# Altium PCB SPEC-A7.PcbDoc (part 10 of 10)
Units mil, origin at the board's own origin, x right, y up, seen from the top; angles counter-clockwise.
Board outline 6299.21 x 3937.01 mil, 6 copper layers (Top Layer, L2, L3, L4, L5, Bottom Layer), stack 61.319 mil thick; 731 components, 479 nets, 2733 pads, 1703 vias.
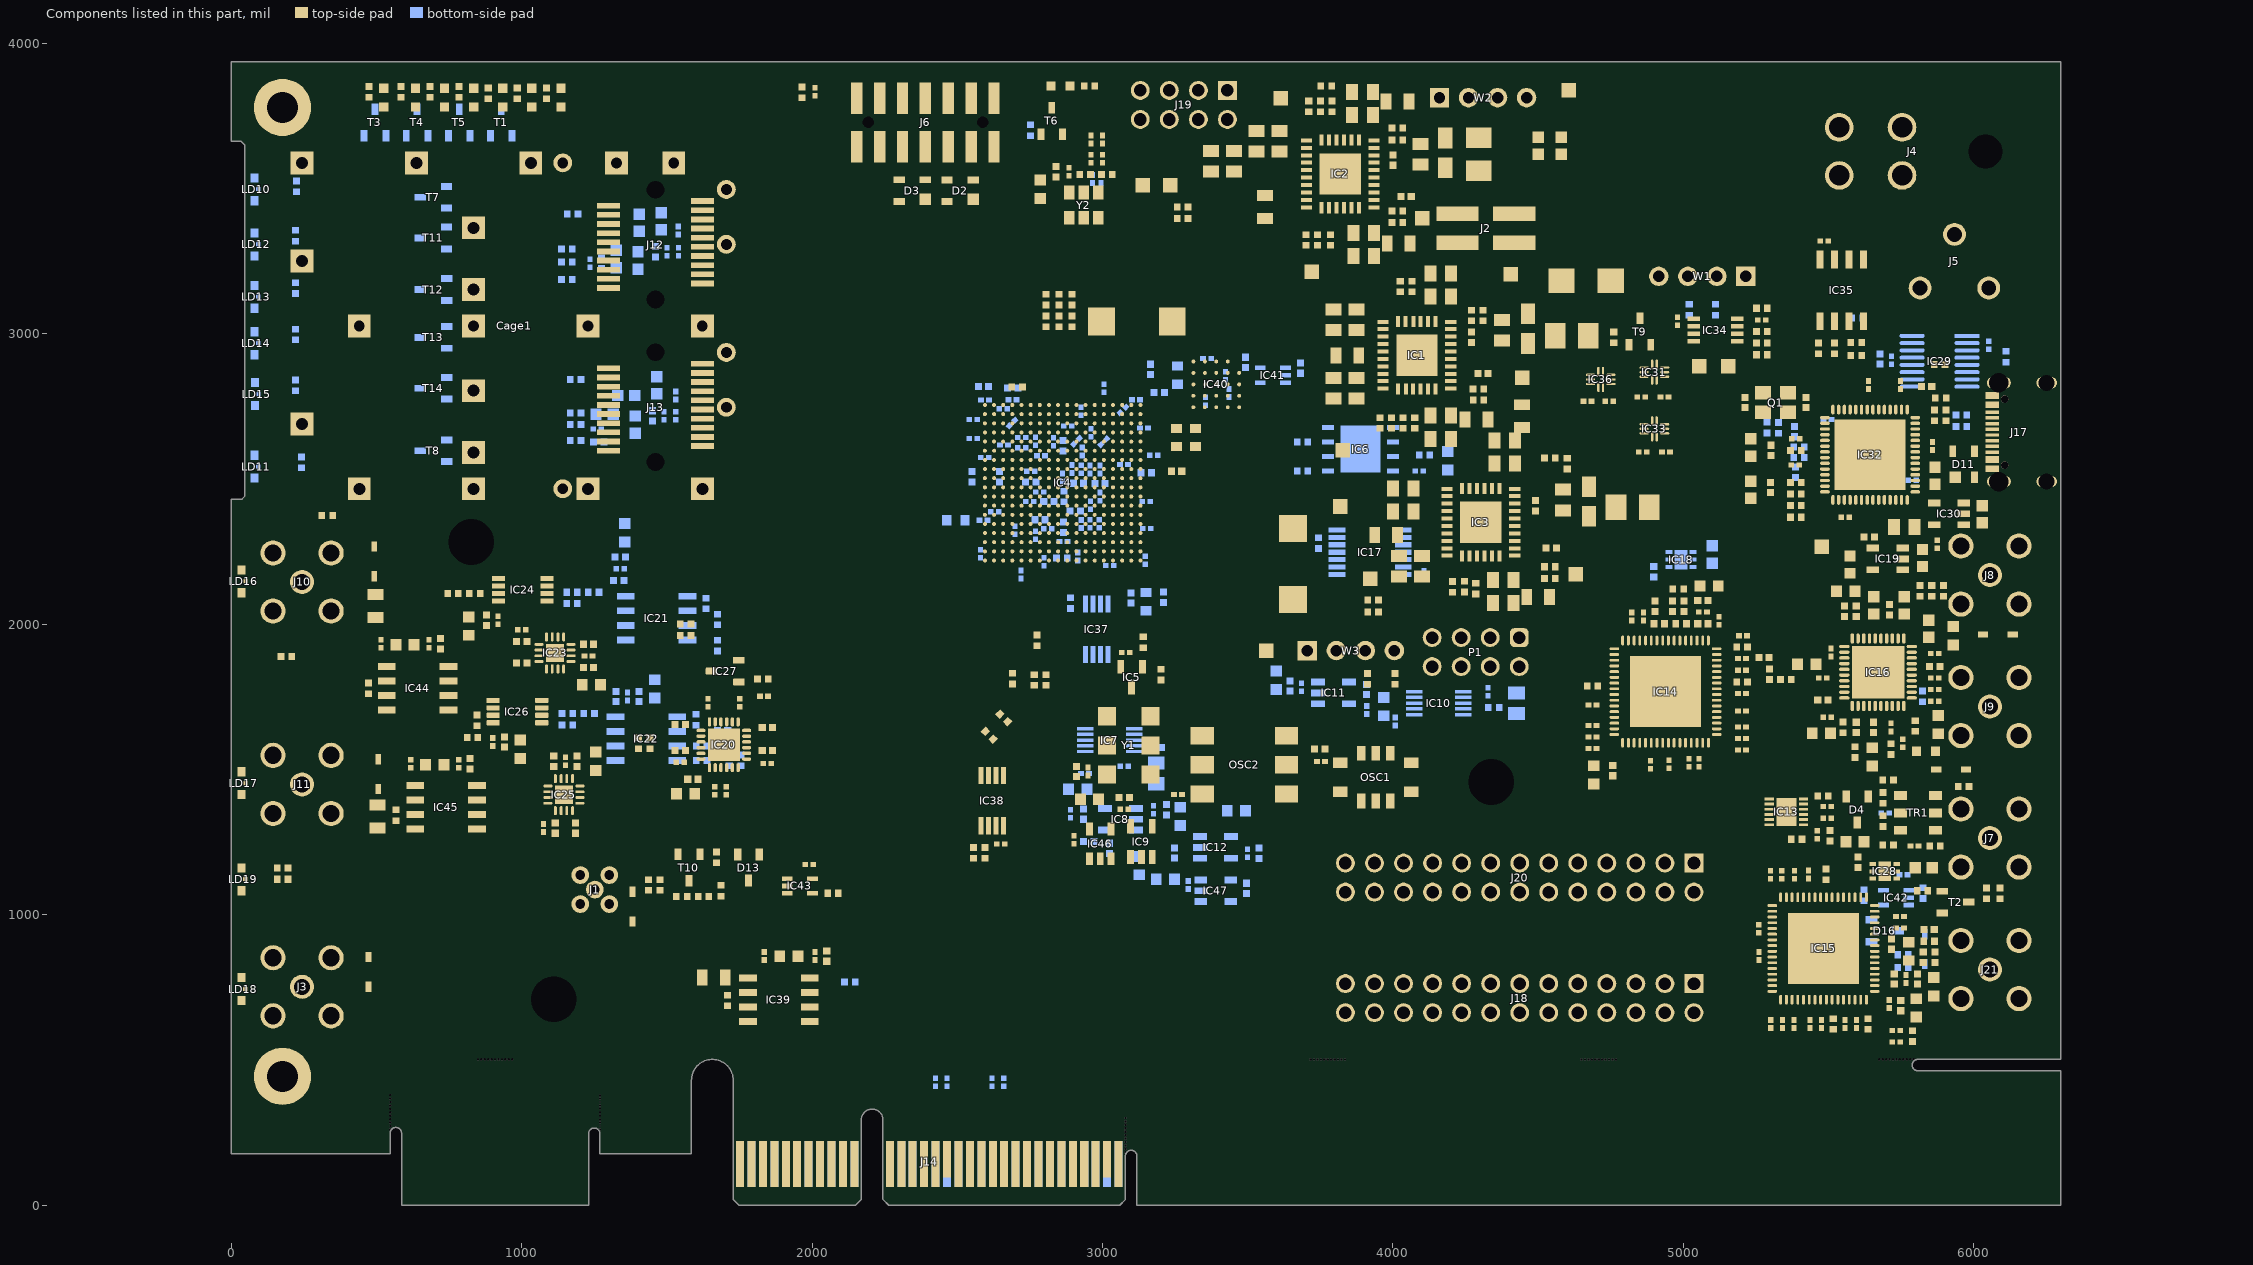
[diagram p14: the components of this part, seen from the top]

## Silkscreen, mask and mechanical layers (free items; w line width, h text height)
Top Overlay:
  lines w7.87: 1269.69,517.16 3078.74,517.16 ; 2523.7,223.16 2523.7,244.16 ; 2523.7,260.16 2523.7,299.16 ; 2523.7,315.16 2523.7,354.16 ; 2523.7,370.16 2523.7,409.16 ; 2523.7,424.16 2523.7,463.16
  text "3.3V" at 4125.98,3874.04 h39.37
  text "SDA" at 4224.41,3874.07 h39.37
  text "SCL" at 4330.71,3874.07 h39.37
  text "GND" at 4429.13,3874.07 h39.37
  text "1.2V" at 3562.87,3767.84 h35.43 r90
  text "SPEC A7 v1.0" at 4740.16,3767.72 h118.11
  text "12V" at 4567.06,3748.16 h35.43
  text "WUT ISE 2024" at 4740.16,3706.72 h60
  text "2.5V" at 720.35,3665.48 h35.43 r90
  text "12V" at 821.24,3665.47 h35.43 r90
  text "3.3V" at 915.73,3665.47 h35.43 r90
  text "1.0V" at 1018.09,3665.47 h35.43 r90
  text "5.0V" at 1108.64,3665.47 h35.43 r90
  text "1.2V" at 507.75,3661.54 h35.43 r90
  text "1.8V" at 617.98,3661.54 h35.43 r90
  text "TX" at 3110.36,3570.99 h35.43
  text "RX" at 3212.72,3570.99 h35.43
  text "GND" at 4874.02,3263.78 h39.37
  text "SCL" at 4984.25,3263.78 h39.37
  text "SDA" at 5078.74,3263.78 h39.37
  text "3.3V" at 5185.04,3263.78 h39.37
  text "1.0V" at 3665.23,3165.48 h35.43 r90
  text "5.0V" at 4366.27,3118.24 h35.43
  text "SDA" at 4992.25,2799.34 h35.43
  text "SCL" at 5114.3,2799.34 h35.43
  text "1.8V" at 3787.53,2653.67 h35.43
  text "3.3V" at 3763.91,2456.82 h35.43
  text "RF" at 6110.44,2393.73 h50
  text "OUT" at 6105.71,2323.63 h50
  text "10M OUT" at 78.87,2303.28 h50
  text "2.5V" at 3878.08,2212.72 h35.43
  text "SDA" at 3766.4,1972.5 h39.37
  text "SCL" at 3872.7,1972.5 h39.37
  text "3.3V" at 3667.98,1972.47 h39.37
  text "GND" at 3971.13,1972.44 h39.37
  text "GND" at 3515.87,1960.76 h35.43
  text "RF OUT" at 6010.85,1870.46 h50
  text "PPS OUT" at 70.99,1618.24 h50
  text "10M IN" at 6015.87,1433.2 h50
  text "TOD IN" at 1176,1188 h50
  text "PPS IN" at 6008,968.63 h50
  text "TOD OUT" at 78.87,921.39 h50
Mechanical 1:
  lines w7.87: 982.31,501.95 ccw(c982.31,482.26) 962.62,482.26 ccw(c982.31,482.26) 982.31,462.58 1069.39,462.58 1230.31,462.58 1230.31,391.68 ccw(c1250,391.68) 1250,372 ccw(c1250,391.68) 1269.68,391.68 1269.68,462.58 ccw(c1230.31,462.58) 1230.31,501.95 1069.39,501.95 982.31,501.95 ; 982.31,501.95 982.31,501.95 ; 3078.73,130.39 3078.73,169.29 cw(c3098.42,169.29) 3098.42,188.98 cw(c3098.42,169.29) 3118.1,169.29 3118.1,-0.02 6299.21,-0.02 6299.21,462.69 5807.21,462.69 cw(c5807.21,482.37) 5787.53,482.37 cw(c5807.21,482.37) 5807.21,502.06 6299.21,502.06 6299.21,501.95 6299.21,3936.99 0,3936.99 0,3662.98 33.87,3662.98 47.24,3649.61 47.24,3535.43 47.24,2527.56 47.24,2439.96 46.26,2439.96 37.4,2431.1 0,2431.1 0,177.14 547.24,177.14 547.24,248.03 cw(c566.93,248.03) 566.93,267.72 cw(c566.93,248.03) 586.61,248.03 586.61,27.56 586.61,0 1230.31,0 1230.31,115.64 1230.31,246.02 cw(c1250,246.02) 1250,265.7 cw(c1250,246.01) 1269.68,246.01 1269.68,177.14 1584.64,177.14 1584.64,430.1 cw(c1656.49,430.1) 1728.34,430.1 1728.34,19.66 1748.03,-0.02 2149.6,-0.02 2169.28,19.66 2169.28,293.29 cw(c2206.69,293.29) 2244.09,293.29 2244.09,19.66 2263.78,-0.02 3059.05,-0.02 3078.74,19.66 3078.73,130.39 ; 3078.73,130.39 3078.73,130.39 ; 3078.73,314.96 ccw(c3098.42,314.96) 3098.42,295.28 ccw(c3098.42,314.96) 3118.1,314.96 3118.1,462.54 3703.59,462.54 ccw(c3703.59,482.23) 3723.28,482.23 ccw(c3703.59,482.23) 3703.59,501.91 3118.1,501.95 ccw(c3118.1,462.58) 3078.73,462.58 3078.73,351.85 3078.73,314.96 ; 3078.73,314.96 3078.73,314.96 ; 4636.42,462.53 ccw(c4636.42,482.21) 4656.1,482.21 ccw(c4636.42,482.21) 4636.42,501.9 4636.42,501.91 3849.26,501.91 ccw(c3849.26,482.23) 3829.58,482.23 ccw(c3849.26,482.23) 3849.26,462.54 4636.42,462.54 ; 4636.42,462.53 4636.42,462.54 ; 547.24,393.7 ccw(c566.93,393.7) 566.93,374.02 ccw(c566.93,393.7) 586.61,393.7 586.61,462.58 747.54,462.58 836.64,462.58 ccw(c836.64,482.26) 856.32,482.26 ccw(c836.64,482.26) 836.64,501.95 747.54,501.95 586.61,501.95 ccw(c586.61,462.58) 547.24,462.58 547.24,393.7 ; 4762.4,482.21 cw(c4782.09,482.21) 4782.09,501.9 5503.94,501.9 5661.54,501.9 5661.54,502.06 cw(c5661.54,482.37) 5681.23,482.37 cw(c5661.54,482.37) 5661.54,462.69 5661.54,462.53 4782.09,462.53 cw(c4782.09,482.21) 4762.4,482.21
Mechanical 4:
  lines w3.94: -540.33,0 1531.5,0 ; 0,-79.62 0,177.14 ; 176.54,443.59 176.54,4349.77
  lines w7.87: -78.74,-598.45 -118.11,-598.45 -118.11,4128.33 ; -78.74,-596.87 -78.74,-59.08 -19.69,-59.08 -19.69,4128.33 ; -19.69,211.4 377.95,211.4 377.95,524.39 ; -19.69,3645.64 377.95,3645.64 ; -19.69,3830.68 216.54,3830.68 ; -118.12,4128.33 -533.86,4128.33 -533.86,4226.76 -19.69,4226.76 -19.69,4128.33 ; -118.11,4128.33 -19.69,4128.33

## Text inside footprints (layer, text, board x,y; h text height)
Cage1: Drill Drawing "TECHNOLOGY" at 389.76,2751.97 h39.37; Drill Drawing "12x diam. 0.95mm +/-0.05" at 303.15,2917.32 h39.37; Drill Drawing "13x diam. 1.05mm +/-0.05" at 311.02,2685.04 h39.37; Drill Drawing "PRESS-FIT" at 421.26,2826.77 h39.37; Mechanical 8 "20" at 1531.5,2923.73 h39.37 r270; Mechanical 8 "11" at 1531.5,2632.87 h39.37 r270; Mechanical 8 "10" at 1350.39,2621.08 h39.37 r270; Mechanical 8 "1" at 1350.39,2890.75 h39.37 r270; Mechanical 8 "20" at 1531.5,3484.75 h39.37 r270; Mechanical 8 "11" at 1531.5,3193.9 h39.37 r270; Mechanical 8 "10" at 1350.39,3182.1 h39.37 r270; Mechanical 8 "1" at 1350.39,3451.77 h39.37 r270; Mechanical 8 "Component and Trace Keep-Out / Except Cage Chassis Ground" at 216.54,2496.06 h39.37 r90
IC1: Drill Drawing "soldermask defined pads,  / do not increase/decrease  / soldermask aperture in this area" at 3663.39,3462.74 h47.24 r270
IC3: Drill Drawing "soldermask defined pads,  / do not increase/decrease  / soldermask aperture in this area" at 3883.39,2887.74 h47.24 r270
J4: Top Overlay "1" at 5715.2,3804.16 h47.24 r270; Mechanical 14 "1" at 5715.2,3804.16 h47.24 r270
J14: Top Overlay "B32" at 3066.5,240.08 h30 r90; Top Overlay "B18" at 2515.32,240 h30 r90; Top Overlay "B12" at 2279.1,240 h30 r90; Top Overlay "B11" at 2157.05,240 h30 r90; Top Overlay "B1" at 1763.35,240 h30 r90; Bottom Overlay "A32" at 3033.52,237.08 h30 r270; Bottom Overlay "A18" at 2482.34,237.01 h30 r270; Bottom Overlay "A12" at 2246.12,237.01 h30 r270; Bottom Overlay "A11" at 2124.07,237.01 h30 r270; Bottom Overlay "A1" at 1730.37,237.01 h30 r270
J18: Top Overlay "2" at 5131.93,677.54 h40 r180; Top Overlay "1" at 5120.12,783.84 h40 r180; Top Overlay "25" at 3768.15,783.84 h40 r180; Top Overlay "26" at 3768.15,677.54 h40 r180
J19: Top Overlay "8" at 3061.89,3752.54 h40 r180; Top Overlay "7" at 3061.89,3858.84 h40 r180; Top Overlay "2" at 3525.67,3752.54 h40 r180; Top Overlay "1" at 3513.86,3858.84 h40 r180
J20: Top Overlay "2" at 5131.93,1092.54 h40 r180; Top Overlay "1" at 5120.12,1198.84 h40 r180; Top Overlay "25" at 3768.15,1198.84 h40 r180; Top Overlay "26" at 3768.15,1092.54 h40 r180